# Altium PCB Copy of master.PcbDoc (part 2 of 7) (continued)
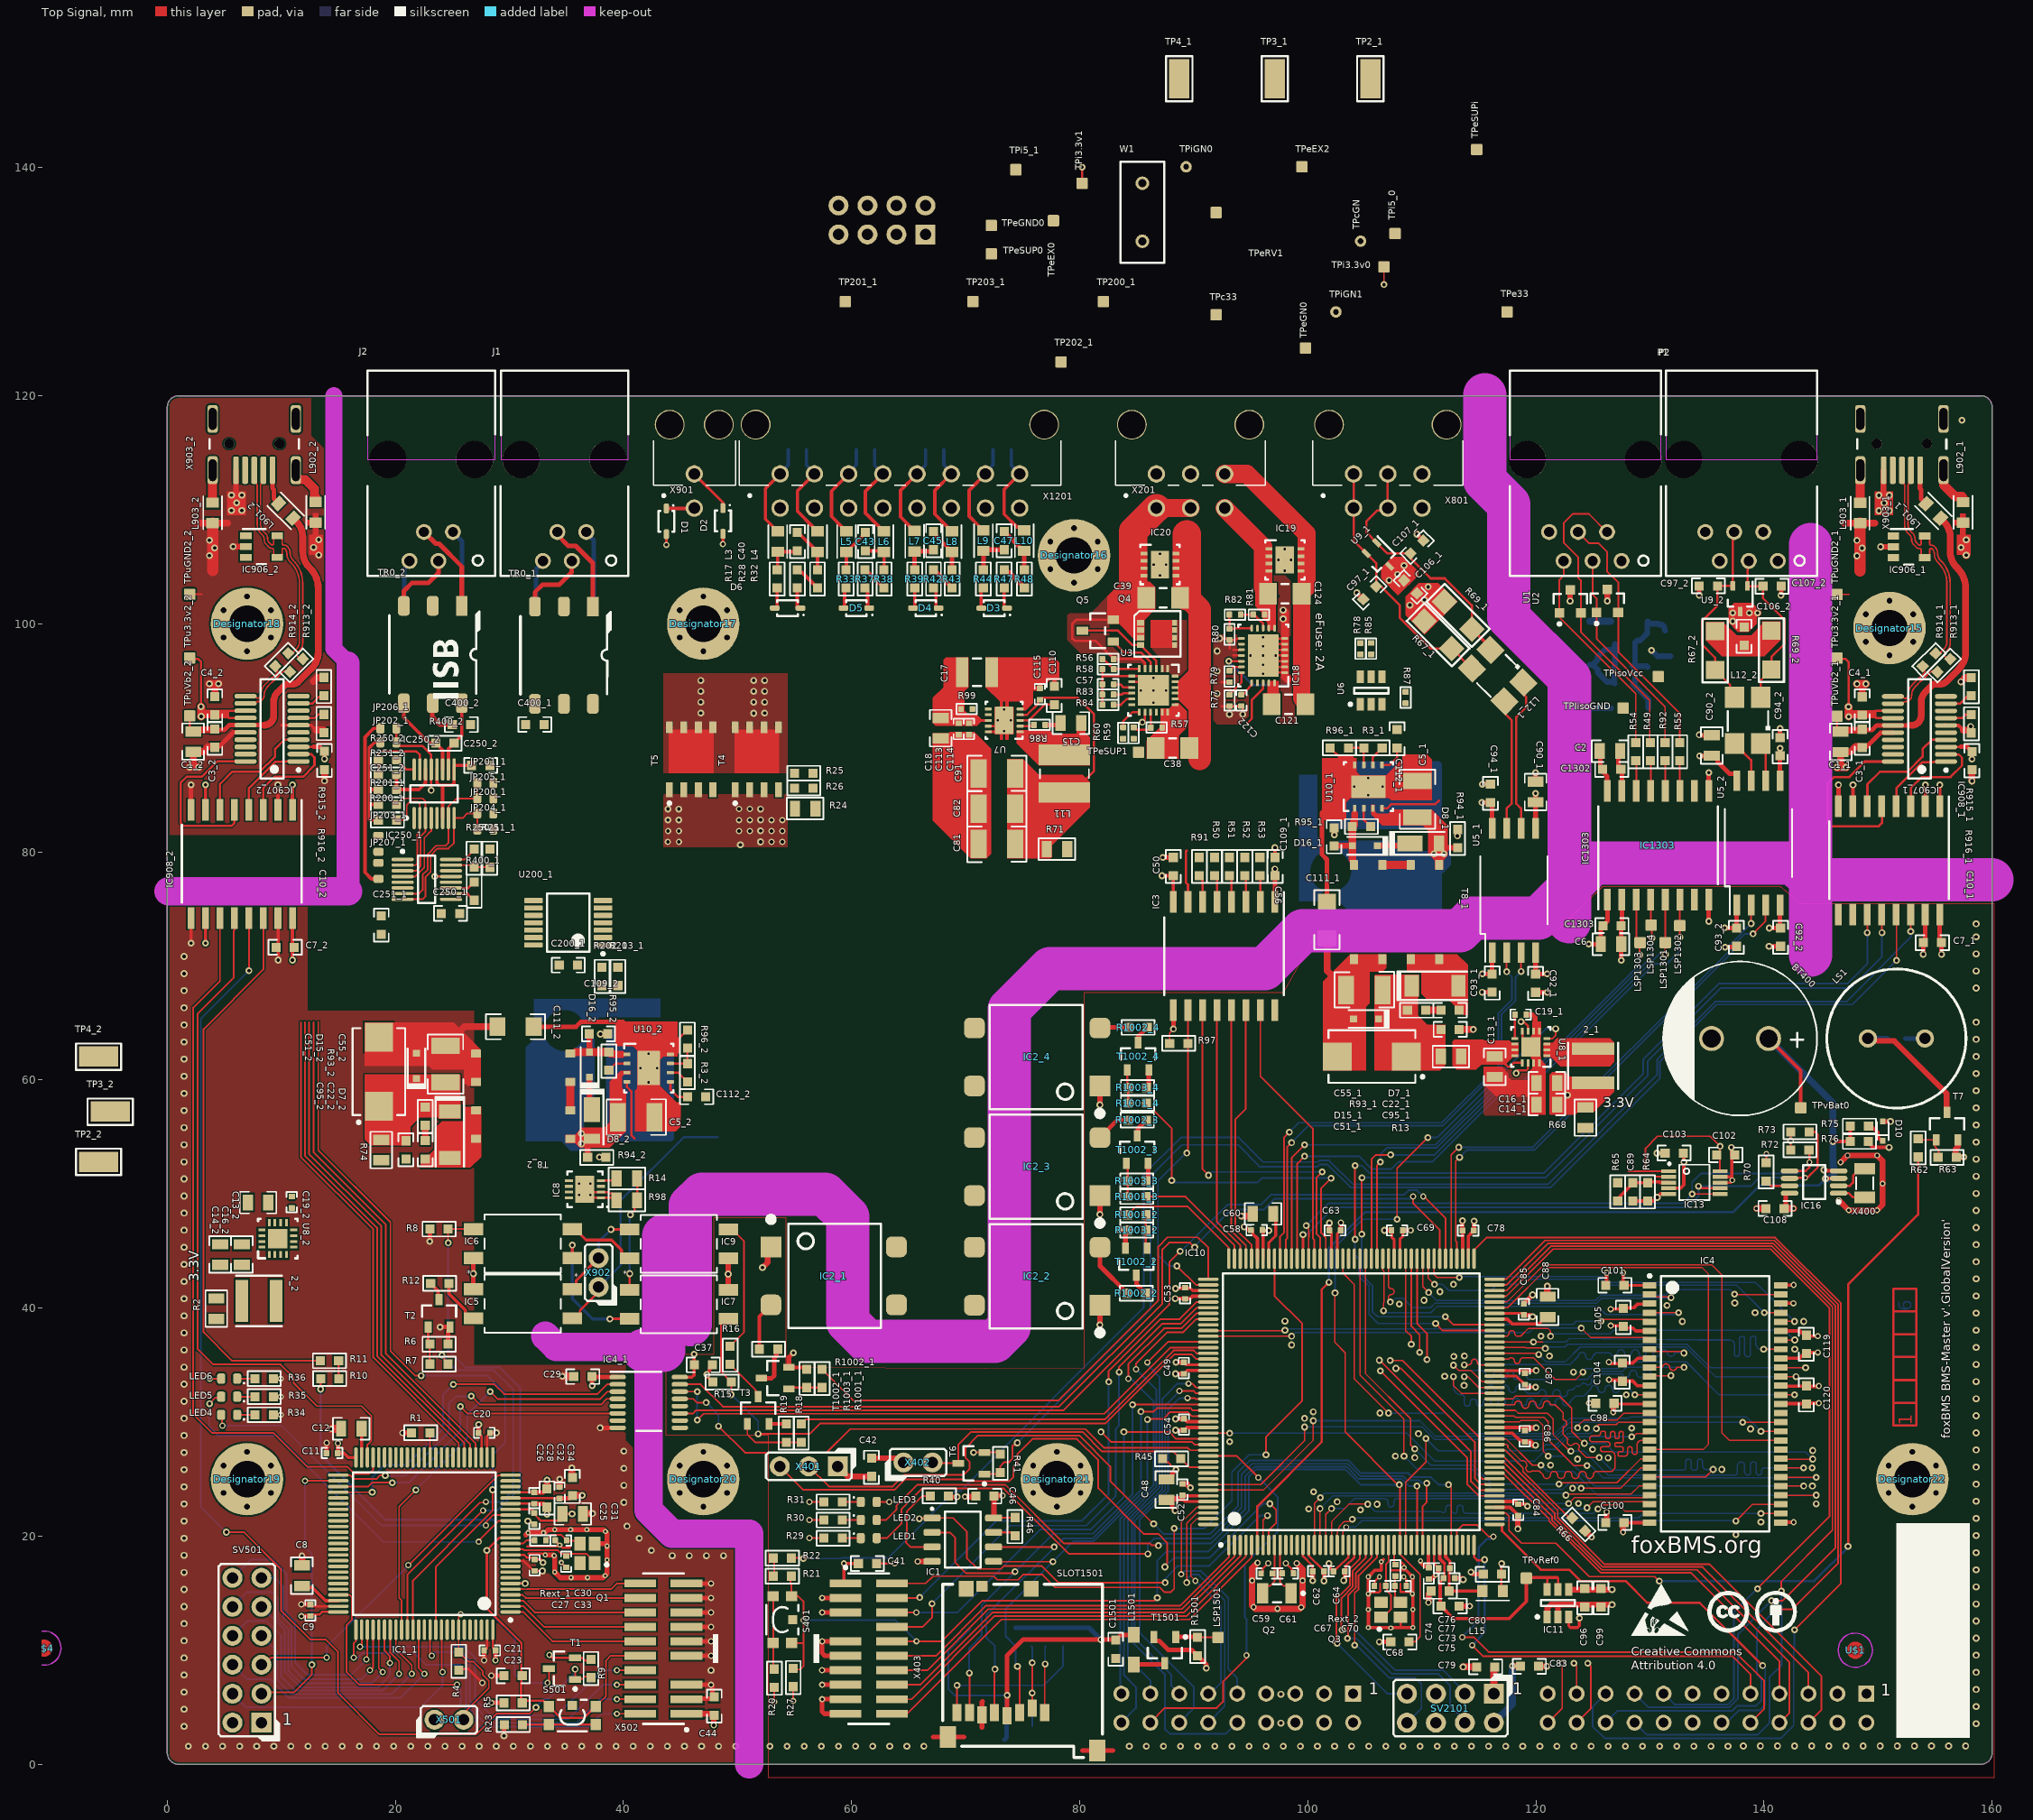
[diagram p0: Top Signal view]
## Components (designator, comment, footprint, x,y, rotation, side; value= is the part's Value field where it differs from the comment) (continued)
U10_2 "LM5180QNGURQ1" NGU0008C 42.214,61.044 r0 top (schematic designator U10)
U200_1 "SN74LVC00APWR" PW0014A_M 35.154,73.787 r180 top (schematic designator U200)
U200_2 "SN74LVC00APWR" PW0014A_M 28.677,75.248 r180 bottom (schematic designator U200)
U$1 "" FIDUCIAL_1MM 148,10 r0 top locked
U$3 "" FIDUCIAL_1MM -15.824,114.064 r0 top
U$4 "" FIDUCIAL_1MM -10.82,10.185 r0 top
W1 "Jumper" RAD-0.2 85.493,136.082 r90 top
X201 "43045-0621" 43045-0621 89.717,117.46 r0 top
X400 "ABS07-120 32.768k" ABS07 148.83,50.957 r270 top
X401 "samtec_TSW-103-07-G-S" PINHEADER_2.54_3 56.242,26.12 r180 top
X402 "samtec_TSW-102-07-G-S" PINHEADER_2.54_2 65.818,26.465 r0 top
X403 "FTSH-110-01-L-DV-007-K-P" CORTEX_DEBUG_20_PIN 61.5,10.146 r0 top locked
X501 "samtec_TSW-102-07-G-S" PINHEADER_2.54_2 24.7,3.905 r0 top
X502 "FTSH-110-01-L-DV-007-K-P" CORTEX_DEBUG_20_PIN 43.5,10.145 r180 top locked
X801 "43045-0621" 43045-0621 107.01,117.46 r0 top
X901 "43045-0221" 43045-0221 46.2,117.46 r0 top locked
X902 "samtec_TSW-102-07-G-S" PINHEADER_2.54_2 37.819,43.11 r90 top
X903_1 "54819-0589" 54819-0589 153.688,113.464 r270 top locked (schematic designator X903)
X903_2 "54819-0589" 54819-0589 9.225,113.464 r270 top locked (schematic designator X903)
X1201 "43045-1621" 43045-1621 64.237,117.46 r0 top locked

## Footprints (in the part's own frame and the unit in brackets; to place one, negate y for a bottom-side part, rotate by r counter-clockwise, add the part's x,y. Pads: shape width x height; smd on the part's side, far side on the other; paste and mask are expansions set on the pad)
0402C [mm] "Chip Capacitor, 2-Leads, Body 1.0x0.5mm, IPC Medium Density"
  rrect25% 0.5x0.55 smd paste-2: 1(-0.5,0) 2(0.5,0)
  silkscreen extent -0.9,-0.45 0.9,0.45, body extent -0.5,-0.25 0.5,0.25, height 0.5
0402R [mm] "Chip Capacitor, 2-Leads, Body 1.0x0.5mm, IPC Medium Density"
  rrect25% 0.5x0.55 smd paste-2: 1(-0.5,0) 2(0.5,0)
  silkscreen extent -0.9,-0.45 0.9,0.45, body extent -0.5,-0.25 0.5,0.25, height 0.25
0603C [mm]
  rect 0.8x0.8 smd paste-10: 1(-0.8,0) 2(0.8,0)
  silkscreen extent -1.45,-0.65 1.45,0.65, body extent -0.8,-0.4 0.8,0.41, height 1.02
0603R [mm]
  rect 0.8x0.8 smd paste-10: 1(-0.8,0) 2(0.8,0)
  silkscreen extent -1.45,-0.65 1.45,0.65, body extent -0.8,-0.4 0.8,0.4, height 0.45
0805_HV [mil]
  rect 50x63 smd: 1(-40,0) 2(40,0)
  silkscreen extent -74,-40 74,40, body extent -43,-29 43,29, height 57
0805C [mm]
  rect 0.9x1.4 smd paste-10: 1(-0.9,0) 2(0.9,0)
  silkscreen extent -1.6,-0.95 1.6,0.95, body extent -1,-0.63 1,0.63, height 1.25
0805R [mm]
  rect 0.9x1.4 smd paste-10: 1(-0.9,0) 2(0.9,0)
  silkscreen extent -1.6,-0.95 1.6,0.95, body extent -1,-0.65 1,0.65, height 0.6
1206C [mm]
  rect 1.4x1.6 smd paste-10: 1(-1.6,0) 2(1.6,0)
  silkscreen extent -2.6,-1.1 2.6,1.1, body extent -1.6,-0.8 1.6,0.8, height 1.78
1206R [mm]
  rect 1.6x1.6 smd: 1(-1.7,0) 2(1.7,0)
  silkscreen extent -2.8,-1.1 2.8,1.1, body extent -1.55,-0.8 1.55,0.8, height 0.55
1210C [mm]
  rect 1.4x2.5 smd paste-10: 1(-1.6,0) 2(1.6,0)
  silkscreen extent -2.6,-1.58 2.6,1.55, body extent -1.6,-1.2 1.6,1.2, height 1.78
7343-31 [mm]
  rect 2.55x2.45 smd: 1(-3.025,0) 2(3.025,0)
  silkscreen extent -4.56,-2.3 3.8,2.3, body extent -3.8,-2.3 3.8,2.3, height 3.1
43045-0221 [mm] "Micro-Fit 3.0 Right Angle Header, 3.00mm Pitch, Dual Row, 2 Circuits, with Snap-in Plastic Peg PCB Lock, Tin, Glow Wire Capable, Black, 43045-0221"
  round 1.524 hole 1.016: 1(0,-4.32) 2(0,-7.32)
  round 2.61 hole 2.41 paste-5 mask+0.15: MH1(-2.15,0) MH1(2.15,0)
  silkscreen extent -3.57,-6.34 3.63,-1.4, body extent -3.58,-7.62 3.63,4.62, height 8.77
43045-0621 [mm] "Micro-Fit 3.0 Right Angle Header, 3.00mm Pitch, Dual Row, 6 Circuits, with Snap-in Plastic Peg PCB Lock, Tin, Glow Wire Capable, Black, 43045-0621"
  round 1.524 hole 1.016: 1(-3,-4.32) 2(0,-4.32) 3(3,-4.32) 4(-3,-7.32) 5(0,-7.32) 6(3,-7.32)
  round 2.61 hole 2.41 paste-5 mask+0.15: MH1(-5.15,0) MH1(5.15,0)
  silkscreen extent -6.57,-6.34 6.58,-1.4, body extent -6.56,-7.62 6.59,4.62, height 8.83
43045-1621 [mil] "Micro-Fit 3.0 Right Angle Header, 3.00mm Pitch, Dual Row, 16 Circuits, with Snap-in Plastic Peg PCB Lock, Tin, Glow Wire Capable, Black, 43045-1621"
  round 60 hole 40: 1(-413.39,-170) 2(-295.28,-170) 3(-177.17,-170) 4(-59.06,-170) 5(59.06,-170) 6(177.17,-170) 7(295.28,-170) 8(413.39,-170) 9(-413.39,-287.99) 10(-295.28,-287.99) 11(-177.17,-287.99) 12(-59.06,-287.99) 13(59.06,-287.99) 14(177.17,-287.99) 15(295.28,-287.99) 16(413.39,-287.99)
  round 102.76 hole 94.88 paste-196.85 mask+5.91: MH1(-498.03,0.08) MH1(498.03,0.08)
  silkscreen extent -554,-249 556,-55, body extent -554,-300 556,182, height 345
54819-0589 [mm] "Mini USB Connector, TH, Righer Angle"
  rrect50% 2.4x0.5 smd: 1(0,0) 2(0,-0.8) 3(0,-1.6) 4(0,-2.4) 5(0,-3.2)
  rrect50% 2.45x0.9 / inner rrect50% 0x0 / far side rrect50% 2.7x1.7 hole 0.7 slot 1.9 at 0 deg: 6(0,2.05) 7(-4.5,2.05) 8(0,-5.25) 9(-4.5,-5.25)
  round 0.9 hole 0.9 unplated: X(-2.325,-3.8) Y(-2.325,0.6)
  silkscreen extent -2.7,-5.5 -1.9,2.3, body extent -8.22,-5.46 0.78,2.24, height 4.05
95501-2441 [mm]
  round 1.4 hole 0.9: 1(-1.905,-2.54) 2(-0.635,0) 3(0.635,-2.54) 4(1.905,0)
  round 3.25 hole 3.25 unplated paste-10 mask+0.15: MH(-3.81,-8.89) MH(3.81,-8.89)
  Keep-Out Layer region: -5.59,-16.69 5.575,-16.69 5.575,-8.907 -5.59,-8.907
  silkscreen extent -5.59,-16.69 5.6,1.33, body extent -5.59,-16.77 5.59,1.33, height 11.55
95501-2661#1 [mm]
  round 1.4 hole 0.9: 1(-3.175,0) 2(-1.905,-2.54) 3(-0.635,0) 4(0.635,-2.54) 5(1.905,0) 6(3.175,-2.54)
  round 3.25 hole 3.25 unplated paste-10 mask+0.15: MH(-5.08,-8.89) MH(5.08,-8.89)
  Keep-Out Layer region: -6.625,-16.69 6.605,-16.69 6.605,-8.907 -6.625,-8.907
  silkscreen extent -6.63,-16.69 6.61,1.33, body extent -6.6,-16.77 6.61,1.33, height 11.55
95501-2661#2 [mm]
  round 1.4 hole 0.9: 1(-3.175,0) 2(-1.905,2.54) 3(-0.635,0) 4(0.635,2.54) 5(1.905,0) 6(3.175,2.54)
  round 3.25 hole 3.25 unplated paste-10 mask+0.15: MH(-5.08,8.89) MH(5.08,8.89)
  Keep-Out Layer region: -6.625,16.69 6.605,16.69 6.605,8.907 -6.625,8.907
  body extent -6.6,-1.33 6.61,16.77, height 11.55
750316031 [mm] "PUSH-PULL TRANSFORMER WE-PP 1:1 3.3v 1A"
  rect 1.9x1.4 smd: 1(-6.87,3.81) 2(-6.87,0) 3(-6.87,-3.81) 4(6.87,-3.81) 5(6.87,0) 6(6.87,3.81)
  silkscreen extent -7.2,-6.1 6.93,6.12, body extent -7.24,-6.1 7.23,6.09, height 11.52
ABS07 [mm]
  rect 1x1.8 smd: 1(-1.25,0) 2(1.25,0)
  silkscreen extent -0.55,-0.75 0.55,0.75, body extent -1.6,-0.75 1.6,0.75, height 0.9
ADI-RJ-6_N [mm] "SOT23, 6-Leads, Body 2.9x1.6mm, Pitch 0.95mm, IPC Medium Density"
  rect 1.1x0.6 smd: 1(-1.2,0.95) 2(-1.2,0) 3(-1.2,-0.95) 4(1.2,-0.95) 5(1.2,0) 6(1.2,0.95)
  silkscreen extent -1.32,-1.5 0.25,1.92, body extent -0.85,-1.5 0.85,1.5, height 1.45
AQY27_PDIP_SMD [mm]
  rect 1.8x1.8 smd: 1(0,0)
  rrect50% 1.8x1.8 smd: 2(0,-5.08) 3(11,-5.08) 4(11,0)
  silkscreen extent -0.2,-7.11 9.65,2.61, body extent 0.13,-7.18 10.03,2.54, height 3.5
AVX-CX2520DB32000D0GEJZ1-4_V [mm] "Hand Drawn, 4-Leads,Body 2.5x2mm"
  rect 1x1.2 smd: 1(-0.65,0.85) 2(-0.65,-0.85) 3(0.65,-0.85) 4(0.65,0.85)
  silkscreen extent -1.83,0.88 -1.58,1.12, body extent -1,-1.25 1,1.25, height 0.55
CAPC3216X180X55ML20T25 [mm] "Chip Capacitor, 2-Leads, Body 3.4x1.8mm, IPC Low Density"
  rect 1.55x1.9 smd: 1(-1.475,0) 2(1.475,0)
  silkscreen extent -0.3,-0.85 0.3,0.85, body extent -1.7,-0.9 1.7,0.9, height 1.8
CAPC3225X279X50LL20T25 [mm] "Chip Capacitor, 2-Leads, Body 3.40x2.70mm, IPC High Density"
  rect 1.1x2.6 smd: 1(-1.3,0) 2(1.3,0)
  silkscreen extent -0.35,-1.2 0.35,1.2, body extent -1.7,-1.35 1.7,1.35, height 2.79
Coilcraft_YA8779-CL [mm]
  rrect14% 0.87x0.71 smd: 1(-4.135,3.735) 2(-4.135,1.245) 3(-4.135,-1.245) 4(-4.135,-3.735) 5(4.135,-3.735) 6(4.135,-1.245) 7(4.135,1.245) 8(4.135,3.735)
  body extent -4.65,-5.1 4.65,5.1, height 10.6
CORTEX_DEBUG_20_PIN [mm] "ARM Cortex Debug Connector 20 Pin"
  rect 2.8x0.7 smd: 1(-2.035,5.715) 2(2.035,5.715) 3(-2.035,4.445) 4(2.035,4.445) 5(-2.035,3.175) 6(2.035,3.175) 8(2.035,1.905) 9(-2.035,0.635) 10(2.035,0.635) 11(-2.035,-0.635) 12(2.035,-0.635) 13(-2.035,-1.905) 14(2.035,-1.905) 15(-2.035,-3.175) 16(2.035,-3.175) 17(-2.035,-4.445) 18(2.035,-4.445) 19(-2.035,-5.715) 20(2.035,-5.715)
  silkscreen extent -4.83,-6.6 1.78,7.24, body extent -2.92,-6.35 2.92,6.35, height 6.98
DBQ0016A_N [mm]
  oval 1.45x0.4 smd paste+0 mask+0: 1(-2.725,2.222) 2(-2.725,1.587) 3(-2.725,0.953) 4(-2.725,0.318) 5(-2.725,-0.318) 6(-2.725,-0.953) 7(-2.725,-1.587) 8(-2.725,-2.222) 9(2.725,-2.222) 10(2.725,-1.587) 11(2.725,-0.953) 12(2.725,-0.318) 13(2.725,0.318) 14(2.725,0.953) 15(2.725,1.587) 16(2.725,2.222)
  silkscreen extent -3.35,-2.5 1.1,2.68, body extent -3.01,-2.45 3.01,2.45, height 1.62
DBV0005A_N [mm]
  rect 1x0.6 smd paste+0 mask+0.051: 1(-1.375,0.95) 2(-1.375,0) 3(-1.375,-0.95) 4(1.375,-0.95) 5(1.375,0.95)
  silkscreen extent -1.62,-1.55 0.38,1.55, body extent -1.4,-1.45 1.4,1.45, height 1.2
DBV0006A_N [mm]
  rect 1x0.6 smd paste+0 mask+0.051: 1(-1.375,0.95) 2(-1.375,0) 3(-1.375,-0.95) 4(1.375,-0.95) 5(1.375,0) 6(1.375,0.95)
  silkscreen extent -1.68,-1.55 0.5,1.55, body extent -1.4,-1.45 1.4,1.45, height 1.5
DCK0003A_N [mm] "SOT23, 3-Leads, Body 2.0x1.25mm, Pitch 0.65mm, Lead Span 2.1mm, IPC Medium Density"
  rrect25% 0.85x0.4 smd: 1(-1.125,0.65) 2(-1.125,-0.65) 3(1.125,0)
  silkscreen extent -1.48,-1.1 0.7,1.1, body extent -1.06,-1 1.06,1, height 1.1
DIOM4326X24N [mm] "Molded Diode, 2-Leads, Body 4,30x2,60mm, IPC Medium Density, SMA, DO-214AC"
  rrect25% 2.45x1.55 smd: 1(-1.6,0) 2(1.575,0)
  silkscreen extent -2.9,-1.45 2.3,1.45, body extent -2.52,-1.45 2.52,1.45, height 2.4
DRB0008F [mm]
  rect 0.6x0.3 smd paste+0 mask+0: 1(-1.4,0.975) 2(-1.4,0.325) 3(-1.4,-0.325) 4(-1.4,-0.975) 5(1.4,-0.975) 6(1.4,-0.325) 7(1.4,0.325) 8(1.4,0.975)
  rect 1.6x2.4 smd paste-1.187 mask+0: 9(0,0)
  round 0.5 / inner round 1.524 / far side round 0.5 hole 0.203 mask+0: V(-0.55,0) V(0,-0.95) V(0,0.95) V(0.55,0)
  silkscreen extent -1.73,-1.73 1.73,1.73, body extent -1.5,-1.5 1.5,1.5, height 0.77
DSX0010A [mm] "SON, 10-Leads, Body 3x3 mm, Pitch 0.5mm"
  rrect40% 0.6x0.25 smd paste+0 mask+0.076: 1(-1.4,1) 2(-1.4,0.5) 3(-1.4,0) 4(-1.4,-0.5) 5(-1.4,-1) 6(1.4,-1) 7(1.4,-0.5) 8(1.4,0) 9(1.4,0.5) 10(1.4,1)
  rrect50% 0.25x0.34 on Top Paste: 11(-0.25,1.53) 11(-0.25,-1.53) 11(0.25,1.53) 11(0.25,-1.53)
  rrect50% 1.5x1.06 on Top Paste: 11(0,0.63) 11(0,-0.63)
  rrect12% 1.65x2.4 smd paste-0.237 mask+0.051: 11(0,0)
  Top Signal region: -0.775,-1.2 -0.375,-1.2 -0.375,-1.65 -0.375,-1.66 -0.367,-1.678 -0.353,-1.692 -0.335,-1.7 -0.325,-1.7 -0.325,-1.7 -0.325,-1.7 -0.175,-1.7 -0.165,-1.7 -0.147,-1.692 -0.133,-1.678 -0.125,-1.66 -0.125,-1.65 -0.125,-1.65 -0.125,-1.65 -0.125,-1.2 0.125,-1.2 0.125,-1.65 0.125,-1.66 0.133,-1.678 0.147,-1.692 0.165,-1.7 0.175,-1.7 0.175,-1.7 0.175,-1.7 0.325,-1.7 0.335,-1.7 0.353,-1.692 0.367,-1.678 0.375,-1.66 0.375,-1.65 0.375,-1.65 0.375,-1.2 0.775,-1.2 0.785,-1.2 0.803,-1.192 0.817,-1.178 0.825,-1.16 0.825,-1.15 0.825,-1.15 0.825,1.15 0.825,1.16 0.817,1.178 0.803,1.192 0.785,1.2 0.775,1.2 0.775,1.2 0.375,1.2 0.375,1.65 0.375,1.66 0.367,1.678 0.353,1.692 0.335,1.7 0.325,1.7 0.325,1.7 0.175,1.7 0.165,1.7 0.147,1.692 0.133,1.678 0.125,1.66 0.125,1.65 0.125,1.65 0.125,1.2 -0.125,1.2 -0.125,1.65 -0.125,1.66 -0.133,1.678 -0.147,1.692 -0.165,1.7 -0.175,1.7 -0.175,1.7 -0.325,1.7 -0.335,1.7 -0.353,1.692 -0.367,1.678 -0.375,1.66 -0.375,1.65 -0.375,1.65 -0.375,1.2 -0.775,1.2 -0.785,1.2 -0.803,1.192 -0.817,1.178 -0.825,1.16 -0.825,1.15 -0.825,1.15 -0.825,-1.15 -0.825,-1.16 -0.817,-1.178 -0.803,-1.192 -0.785,-1.2 -0.775,-1.2
  silkscreen extent -1.63,-1.63 1.63,1.63, body extent -1.5,-1.5 1.5,1.5, height 0.8
DW0016B_N [mm]
  rect 1.9x0.6 smd paste+0 mask+0.051: 1(-4.75,4.445) 2(-4.75,3.175) 3(-4.75,1.905) 4(-4.75,0.635) 5(-4.75,-0.635) 6(-4.75,-1.905) 7(-4.75,-3.175) 8(-4.75,-4.445) 9(4.75,-4.445) 10(4.75,-3.175) 11(4.75,-1.905) 12(4.75,-0.635) 13(4.75,0.635) 14(4.75,1.905) 15(4.75,3.175) 16(4.75,4.445)
  silkscreen extent -5.6,-5.25 3.4,5.25, body extent -5.17,-5.15 5.17,5.15, height 2.59
DWV0008A [mm]
  rect 1.8x0.6 smd paste+0 mask+0: 1(-5.45,1.905) 2(-5.45,0.635) 3(-5.45,-0.635) 4(-5.45,-1.905) 5(5.45,-1.905) 6(5.45,-0.635) 7(5.45,0.635) 8(5.45,1.905)
  silkscreen extent -6.25,-2.95 2.98,2.95, body extent -5.77,-2.92 5.77,2.93, height 2.67
ESPO-FC-135-2_V [mm] "SMD, 2-Leads, Body 3.3x1.6mm, Pitch 2.5mm"
  rect 1x1.8 smd: 1(-1.25,0) 2(1.25,0)
  silkscreen extent -2.43,-0.8 0.35,0.8, body extent -1.65,-0.8 1.65,0.8, height 0.9
FIDUCIAL_1MM [mm] "FIDUCIAL_1MM"
  Top Signal circle w1: c0,0 r0.25
  Top Signal keep-out circle w0.1: c0,0 r1.5
HM2101NL [mil] "XFMR CMC MODULE AECQ BATT MNGT"
  rect 67.5x40 smd: 1(-168.11,100)
  rrect50% 67.5x40 smd: 2(-168.11,0) 3(-168.11,-100) 4(168.11,-100) 5(168.11,0) 6(168.11,100)
  silkscreen extent -149,-150 134,161, body extent -175,-150 175,150, height 227
HOLE_3.2_ISO [mm]
  round 0.8 / inner round 0.7 / far side round 0.8 hole 0.5: 0(-2.078,-1.2) 0(-2.078,1.2) 0(0,-2.4) 0(0,2.4) 0(2.078,-1.2) 0(2.078,1.2)
  round 6.35 / inner round 3.4 / far side round 6.35 hole 3.18: 0(0,0)
INF-PG-SOT23_N [mm] "SOT23, 3-Leads, Body 2.9x1.3mm, Pitch 0.95mm, IPC Medium Density"
  rect 1.05x0.6 smd: 1(-1.15,0.95) 2(-1.15,-0.95) 3(1.15,0)
  silkscreen extent -1.28,-1.5 0.7,1.92, body extent -0.7,-1.5 0.7,1.5, height 1.1
KMR2_Series [mil] "Microminiature Tact Switch for SMT"
  rect 35.43x39.37 smd: 1(-80.71,-31.5) 2(80.71,-31.5) 3(80.71,31.5) 4(-80.71,31.5)
  rect 31.5x31.5 smd: 5(0,35.43)
  silkscreen extent -50,-55 50,55, body extent -91,-55 91,55, height 76
KW-5R5C [mm]
  round 2.2 hole 1.6: 1(-2.5,0) 2(2.5,0)
  silkscreen extent -6.75,-6.75 6.75,6.75, body extent -6.7,-6.74 6.78,6.74, height 8.36
LEDC1608X07N [mm] "LED, 2-Leads, Body 1,60x0,80mm, IPC Medium Density"
  rrect50% 0.7x0.9 smd: 1(-0.7,0) 2(0.7,0)
  silkscreen extent -1.35,0.35 -1.25,0.45, body extent -0.8,-0.4 0.8,0.4, height 0.7
LT-DD-8_V [mm] "SON, 8-Leads, Body 3x3mm, Pitch 0.5mm, Thermal Pad 1.65x2.38 mm, IPC Low Density"
  rect 0.7x0.25 smd mask+0.102: 1(-1.4,0.75) 2(-1.4,0.25) 3(-1.4,-0.25) 4(-1.4,-0.75) 5(1.4,-0.75) 6(1.4,-0.25) 7(1.4,0.25) 8(1.4,0.75)
  rect 1.65x2.38 smd mask+0.102: 9(0,0)
  silkscreen extent -2,-1.55 1.55,1.6, body extent -1.5,-1.5 1.5,1.5, height 0.8
LT-MS-16_M [mm] "SOP, 16-Leads, Body 4.04x3.00mm, Pitch 0.50mm, IPC Low Density"
  oval 1.95x0.3 smd: 1(-2.125,1.75) 2(-2.125,1.25) 3(-2.125,0.75) 4(-2.125,0.25) 5(-2.125,-0.25) 6(-2.125,-0.75) 7(-2.125,-1.25) 8(-2.125,-1.75) 9(2.125,-1.75) 10(2.125,-1.25) 11(2.125,-0.75) 12(2.125,-0.25) 13(2.125,0.25) 14(2.125,0.75) 15(2.125,1.25) 16(2.125,1.75)
  silkscreen extent -2.25,-2.08 0.75,2.57, body extent -1.55,-2.05 1.55,2.05, height 1.1
MF06A_N [mm] "SOT23, 6-Leads, Body 2.9x1.6mm, Pitch 0.95mm, Lead Span 2.8mm, IPC Medium Density"
  rect 1.1x0.65 smd: 1(-1.2,0.95) 2(-1.2,0) 3(-1.2,-0.95) 4(1.2,-0.95) 5(1.2,0) 6(1.2,0.95)
  silkscreen extent -1.32,-1.5 0.25,1.95, body extent -0.83,-1.49 0.83,1.5, height 1.22
MOLEX_47352_1001 [mm] "Molex SD Card Reader Push Push Type VDD Detect Switch"
  rect 0.8x1.5 smd: 1(7.54,-10.16) 2(6.44,-9.76) 3(5.34,-10.16) 4(4.24,-10.435) 5(3.14,-10.16) 6(2.04,-10.36) 7(0.94,-10.16) 8(-0.16,-10.16)
  rect 1x0.95 smd: 6_1(2.04,0.925)
  rect 1.4x1.9 smd: SH(-0.95,-12.3) SH(12.15,-13.5)
  rect 1.3x1.4 smd: SH(0.65,0.7) SH(6.35,0.7)
  silkscreen extent -1.4,-14.1 12.6,1.09, body extent -1.4,-14.2 12.7,1, height 1.9
MSOP-10 [mm]
  rect 1.3x0.35 smd paste-0.025: 1(-2.25,1) 2(-2.25,0.5) 3(-2.25,0) 4(-2.25,-0.5) 5(-2.25,-1) 6(2.25,-1) 7(2.25,-0.5) 8(2.25,0) 9(2.25,0.5) 10(2.25,1)
  silkscreen extent -2.3,-1.52 1.33,1.75, body extent -1.33,-1.52 1.33,1.58, height 1.2
MURA-BLM21-H1-CHIP-2_V#1 [mm] "Chip Ferrite Bead, 2-Leads, Body 2x1.25mm, Height 1.05mm"
  rect 0.9x1.1 smd paste-10: 1(-0.9,0) 2(0.9,0)
  silkscreen extent -1.45,-0.82 1.45,0.82, body extent -1,-0.43 1,0.43, height 1.25
MURA-BLM21-H1-CHIP-2_V#2 [mm] "Chip Ferrite Bead, 2-Leads, Body 2x1.25mm, Height 1.05mm"
  rect 1.4x1 smd: 1(-1.3,0) 2(1.3,0)
  body extent -1,-0.63 1,0.63, height 1.05
NF_SOD-523 [mm]
  rect 0.5x0.5 smd paste-1: 1(-0.85,0) 2(0.85,0)
  silkscreen extent -0.8,-0.5 0.8,0.5
NGU0008C [mm]
  rrect33% 0.6x0.3 smd: 1(-1.9,1.2) 2(-1.9,0.4) 3(-1.9,-0.4) 4(-1.9,-1.2) 5(1.9,-1.2) 6(1.9,-0.4) 7(1.9,0.4) 8(1.9,1.2)
  rrect50% 1.75x1.31 on Top Paste: 9(0,0.755) 9(0,-0.755)
  rrect5% 1.98x3 smd paste-1.5: 9(0,0)
  silkscreen extent -2.15,-2.15 2.15,2.15, body extent -2,-2 2,2, height 0.77
ONSC-SOD-123-2-425-04_V [mm] "SOD, 2-Leads, Body 2.69x1.6mm"
  rect 0.91x1.22 smd: 1(-1.635,0) 2(1.635,0)
  silkscreen extent -1.76,-0.8 0.78,1.28, body extent -1.35,-0.8 1.35,0.8, height 1.35
ONSC-SOT-23-3-318-08_V [mm] "SOT23, 3-Leads, Body 2.92x1.3mm, Pitch 0.95mm"
  rect 0.9x0.8 smd: 1(-1,0.95) 2(-1,-0.95) 3(1,0)
  silkscreen extent -1.13,-1.46 0.65,2.02, body extent -0.65,-1.46 0.65,1.46, height 1.11
PA4332 [mm]
  rect 1.1x3.7 smd paste+0 mask+0.051: 1(-1.5,0) 2(1.5,0)
  silkscreen extent -2,-2.2 2,2.2, body extent 0,0 0.25,0.25, height 0.25
PAN_AQY21-SO4 [mil]
  rect 67x41 smd paste+0 mask+0: 1(-170.5,50) 2(-170.5,-50) 3(170.5,-50) 4(170.5,50)
  silkscreen extent -132,-100 132,100, body extent 0,0 10,10, height 10
PINHEADER_2.54_2 [mm] "Pinheader, 2.54mm, gerade"
  round 1.75 hole 1: 1(-1.27,0) 2(1.27,0)
  silkscreen extent -2.84,-1.57 2.47,1.2, body extent -2.54,-1.27 2.54,1.27, height 8.74
PINHEADER_2.54_2X4 [mm] "Pinheader, 2.54mm, gerade, 2-reihig"
  rect 1.75x1.75 hole 1: 1(-3.81,-1.27)
  round 1.75 hole 1: 2(-3.81,1.27) 3(-1.27,-1.27) 4(-1.27,1.27) 5(1.27,-1.27) 6(1.27,1.27) 7(3.81,-1.27) 8(3.81,1.27)
  silkscreen extent -5.38,-2.84 5.01,2.47, body extent -5.08,-2.54 5.08,2.54, height 8.74
PINHEADER_2.54_2X6 [mm] "Pinheader, 2.54mm, gerade, 2-reihig"
  rect 1.75x1.75 hole 1: 1(-6.35,-1.27)
  round 1.75 hole 1: 2(-6.35,1.27) 3(-3.81,-1.27) 4(-3.81,1.27) 5(-1.27,-1.27) 6(-1.27,1.27) 7(1.27,-1.27) 8(1.27,1.27) 9(3.81,-1.27) 10(3.81,1.27) 11(6.35,-1.27) 12(6.35,1.27)
  silkscreen extent -7.92,-2.84 7.55,2.47, body extent -7.62,-2.54 7.62,2.54, height 8.74
PINHEADER_2.54_3 [mm] "Pinheader, 2.54mm, gerade"
  rect 1.75x1.75 hole 1: 1(-2.54,0)
  round 1.75 hole 1: 2(0,0) 3(2.54,0)
  silkscreen extent -4.11,-1.57 3.74,1.2, body extent -3.81,-1.27 3.81,1.27, height 8.74
PowerDI123 [mm]
  rect 2.2x1.4 smd: 1(-1.275,0)
  rect 0.9x1.4 smd: 2(1.275,0)
  silkscreen extent -3.1,-1.09 1.76,1.09, body extent -2.38,-0.97 1.52,0.96, height 1
PRKT-SOT23-3_V [mm] "SOT23, 3-Leads, Body 2.92x1.3mm, Pitch 0.94mm"
  rect 0.84x0.84 smd: 1(-1,0.94) 3(1,0)
  rect 0.84x0.9 smd: 2(-1,-0.94)
  silkscreen extent -2.09,-1.46 0.65,1.46, body extent -0.65,-1.46 0.65,1.46, height 1.17
PS12 [mm]
  round 1.6 hole 1: 1(-2.5,0) 2(2.5,0)
  silkscreen extent -6.1,-6.1 6.1,6.1, body extent -6.1,-6.1 6.1,6.1, height 3.5
PW0014A_M [mm] "SOP, 14-Leads, Body 5.1x4.5mm, Pitch 0.65mm, IPC Low Density"
  rrect22% 1.6x0.45 smd: 1(-3.05,1.95) 2(-3.05,1.3) 3(-3.05,0.65) 4(-3.05,0) 5(-3.05,-0.65) 6(-3.05,-1.3) 7(-3.05,-1.95) 8(3.05,-1.95) 9(3.05,-1.3) 10(3.05,-0.65) 11(3.05,0) 12(3.05,0.65) 13(3.05,1.3) 14(3.05,1.95)
  silkscreen extent -3.18,-2.55 1.85,2.85, body extent -3.21,-2.5 3.21,2.5, height 1
RAD-0.2 [mm] "Radial Cap, Thru-Hole; 2 Leads; 0.2 in Pin Spacing"
  round 1.2 hole 0.7: 1(-2.54,0) 2(2.54,0)
  silkscreen extent -4.44,-1.91 4.44,1.91
RESC1608X05N [mm] "Chip Resistor, 2-Leads, Body 1,60x0,80mm, IPC Medium Density"
  rrect50% 0.7x0.9 smd: 1(-0.7,0) 2(0.7,0)
  body extent -0.85,-0.45 0.85,0.45, height 0.45
RGE0024H [mm]
  rect 0.6x0.24 smd paste+0 mask+0.051: 1(-1.9,1.25) 2(-1.9,0.75) 3(-1.9,0.25) 4(-1.9,-0.25) 5(-1.9,-0.75) 6(-1.9,-1.25) 13(1.9,-1.25) 14(1.9,-0.75) 15(1.9,-0.25) 16(1.9,0.25) 17(1.9,0.75) 18(1.9,1.25)
  rect 0.24x0.6 smd paste+0 mask+0.051: 7(-1.25,-1.9) 8(-0.75,-1.9) 9(-0.25,-1.9) 10(0.25,-1.9) 11(0.75,-1.9) 12(1.25,-1.9) 19(1.25,1.9) 20(0.75,1.9) 21(0.25,1.9) 22(-0.25,1.9) 23(-0.75,1.9) 24(-1.25,1.9)
  rect 2.7x2.7 smd paste-1.337 mask+0.051: 25(0,0)
  round 0.5 / inner round 1.524 / far side round 0.5 hole 0.203 mask+0.051: V(-1.1,0) V(0,1.1) V(0,0) V(0,-1.1) V(1.1,0)
  silkscreen extent -2.22,-2.22 2.22,2.22, body extent 0,0 0.25,0.25, height 0.25
RGT0016C [mm]
  rect 0.6x0.24 smd paste+0 mask+0.051: 1(-1.4,0.75) 2(-1.4,0.25) 3(-1.4,-0.25) 4(-1.4,-0.75) 9(1.4,-0.75) 10(1.4,-0.25) 11(1.4,0.25) 12(1.4,0.75)
  rect 0.24x0.6 smd paste+0 mask+0.051: 5(-0.75,-1.4) 6(-0.25,-1.4) 7(0.25,-1.4) 8(0.75,-1.4) 13(0.75,1.4) 14(0.25,1.4) 15(-0.25,1.4) 16(-0.75,1.4)
  rect 1.68x1.68 smd paste-0.827 mask+0.051: 17(0,0)
  silkscreen extent -1.72,-1.72 1.73,1.73, body extent 0,0 0.25,0.25, height 0.25
RHF0024A [mm]
  oval 0.6x0.24 smd paste+0 mask+0.051: 1(-1.9,1.5) 2(-1.9,1) 3(-1.9,0.5) 4(-1.9,0) 5(-1.9,-0.5) 6(-1.9,-1) 7(-1.9,-1.5) 13(1.9,-1.5) 14(1.9,-1) 15(1.9,-0.5) 16(1.9,0) 17(1.9,0.5) 18(1.9,1) 19(1.9,1.5)
  oval 0.24x0.6 smd paste+0 mask+0.051: 8(-1,-2.4) 9(-0.5,-2.4) 10(0,-2.4) 11(0.5,-2.4) 12(1,-2.4) 20(1,2.4) 21(0.5,2.4) 22(0,2.4) 23(-0.5,2.4) 24(-1,2.4)
  rect 2.7x3.7 smd paste-1.837 mask+0.051: 25(0,0)
  round 0.5 / inner round 1.524 / far side round 0.5 hole 0.203 mask+0.051: V(-1.1,0) V(0,0.8) V(0,0) V(0,-0.8) V(0,1.6) V(0,-1.6) V(1.1,0)
  silkscreen extent -2.2,-2.7 2.2,2.7, body extent -2,-2.5 2,2.5, height 1
SDR0403 [mil]
  rect 71x177 smd: 1(-65,0) 2(65,0)
  silkscreen extent -16,-85 16,84, body extent -107,-95 107,95, height 150
SIMDAD_1812 [mm] "EPCOS"
  rect 1.7x1.85 smd: 1(-1.15,2.025) 2(-1.15,-2.025) 3(1.15,-2.025) 4(1.15,2.025)
  silkscreen extent -2,-0.8 1.75,0.9, body extent -1.75,-2.6 1.75,2.6, height 3.01
SLW_104_01_G_D [mm] "Board-To-Board Connector, Dual, 2.54 mm, 8 Contacts, Receptacle, SLW Series, Through Hole, 2 Rows"
  rect 1.75x1.75 hole 1: 1(-3.81,-1.27)
  round 1.75 hole 1: 2(-3.81,1.27) 3(-1.27,-1.27) 4(-1.27,1.27) 5(1.27,-1.27) 6(1.27,1.27) 7(3.81,-1.27) 8(3.81,1.27)
  silkscreen extent -5.38,-2.84 5.01,2.47, body extent -5.08,-2.48 5.08,2.48, height 4.57
SM_RADIAL_G [mm]
  rect 4.1x2 smd: 1(-4.35,0) 2(4.35,0)
  silkscreen extent -5.35,-5.35 5.35,5.35, body extent -5.25,-5.25 5.25,5.25, height 10.5
SMAF [mm]
  rect 1.24x1.89 smd: 1(-2.04,0) 2(2.04,0)
  silkscreen extent -3.4,-1.3 2.8,1.3, body extent -2.35,-1.25 2.35,1.25, height 1
SMTC-SLW-112-01-X-D#1 [mm] "Low Profile Socket Strip, 2x12 Pins, Vertical, 2.54mm Pitch, Female"
  rect 1.4x1.4 hole 0.86: 1(0,0)
  round 1.4 hole 0.86: 2(0,-2.54) 3(2.54,0) 4(2.54,-2.54) 5(5.08,0) 6(5.08,-2.54) 7(7.62,0) 8(7.62,-2.54) 9(10.16,0) 10(10.16,-2.54) 11(12.7,0) 12(12.7,-2.54) 13(15.24,0) 14(15.24,-2.54) 15(17.78,0) 16(17.78,-2.54) 17(20.32,0) 18(20.32,-2.54)
  silkscreen extent -1.57,-3.75 29.2,1.57, body extent -1.27,-3.75 29.21,1.21, height 4.57
SMTC-SLW-112-01-X-D#2 [mm] "Low Profile Socket Strip, 2x12 Pins, Vertical, 2.54mm Pitch, Female"
  rect 1.4x1.4 hole 0.86: 1(0,0)
  round 1.4 hole 0.86: 2(0,-2.54) 3(2.54,0) 4(2.54,-2.54) 5(5.08,0) 6(5.08,-2.54) 7(7.62,0) 8(7.62,-2.54) 9(10.16,0) 10(10.16,-2.54) 11(12.7,0) 12(12.7,-2.54) 13(15.24,0) 14(15.24,-2.54) 15(17.78,0) 16(17.78,-2.54) 17(20.32,0) 18(20.32,-2.54) 19(22.86,0) 20(22.86,-2.54) 21(25.4,0) 22(25.4,-2.54) 23(27.94,0) 24(27.94,-2.54)
  silkscreen extent -1.57,-3.75 29.2,1.57, body extent -1.27,-3.75 29.21,1.21, height 4.57
SOD-323 [mm]
  rect 0.6x0.6 smd paste-0.05: 1(-1.1,0) 2(1.1,0)
  silkscreen extent -2.06,-0.86 1.53,0.86, body extent -1.3,-0.67 1.3,0.68, height 1.1
SODFL250X110-2N [mm] "SODFL, 2-Leads, Body 1,25x2,50mm, IPC Medium Density, SOD323"
  rrect50% 0.85x0.45 smd: 1(-1.125,0) 2(1.125,0)
  silkscreen extent -1.45,-0.7 0.9,0.7, body extent -1.25,-0.67 1.25,0.67, height 1.1
SOIC127P600X175-8N [mm] "SOIC, 8-Leads, Body 4,90x3,90mm, Pitch 1,27mm, IPC Medium Density"
  rrect50% 1.5x0.6 smd: 1(-2.7,1.905) 2(-2.7,0.635) 3(-2.7,-0.635) 4(-2.7,-1.905) 5(2.7,-1.905) 6(2.7,-0.635) 7(2.7,0.635) 8(2.7,1.905)
  silkscreen extent -2.8,-2.45 1.55,2.8, body extent -3,-2.45 3,2.45, height 1.75
SOT95P237X110-3N [mm] "SOT23, 3-Leads, Body 2,92x2,37mm, Pitch 0,95mm, IPC Medium Density"
  rect 1x0.6 smd: D(1.2,0) G(-1.2,0.95) S(-1.2,-0.95)
  silkscreen extent -0.3,-1.5 0.7,1.5, body extent -1.32,-1.52 1.32,1.52, height 1.1
SOT-23 [mm] "3 pin SOT-23 SMD"
  rect 1x0.725 smd: 1(-1.35,0.95) 2(-1.35,-0.95) 3(1.35,0)
  silkscreen extent -0.65,-1.52 0.65,1.53, body extent -1.38,-1.45 1.38,1.45, height 1
SSOP-20_L [mm] "SOP, 20-Leads, Body 8.6x3.9mm, Pitch 0.635mm, IPC High Density"
  oval 1.95x0.4 smd: 1(-2.325,2.857) 2(-2.325,2.222) 3(-2.325,1.587) 4(-2.325,0.952) 5(-2.325,0.317) 6(-2.325,-0.318) 7(-2.325,-0.953) 8(-2.325,-1.588) 9(-2.325,-2.223) 10(-2.325,-2.858) 11(2.325,-2.857) 12(2.325,-2.222) 13(2.325,-1.587) 14(2.325,-0.952) 15(2.325,-0.317) 16(2.325,0.318) 17(2.325,0.953) 18(2.325,1.588) 19(2.325,2.223) 20(2.325,2.858)
  silkscreen extent -2.45,-4.35 1,4.35, body extent -1.99,-4.37 1.99,4.37, height 1.76
STM-LQFP100_N [mm] "Thin QFP, 100-Leads, Body 14x14mm, Pitch 0.5mm, IPC Medium Density"
  oval 1.8x0.3 smd: 1(-7.55,6) 2(-7.55,5.5) 3(-7.55,5) 4(-7.55,4.5) 5(-7.55,4) 6(-7.55,3.5) 7(-7.55,3) 8(-7.55,2.5) 9(-7.55,2) 10(-7.55,1.5) 11(-7.55,1) 12(-7.55,0.5) 13(-7.55,0) 14(-7.55,-0.5) 15(-7.55,-1) 16(-7.55,-1.5) 17(-7.55,-2) 18(-7.55,-2.5) 19(-7.55,-3) 20(-7.55,-3.5) 21(-7.55,-4) 22(-7.55,-4.5) 23(-7.55,-5) 24(-7.55,-5.5) 25(-7.55,-6) 51(7.55,-6) 52(7.55,-5.5) 53(7.55,-5) 54(7.55,-4.5) 55(7.55,-4) 56(7.55,-3.5) 57(7.55,-3) 58(7.55,-2.5) 59(7.55,-2) 60(7.55,-1.5) 61(7.55,-1) 62(7.55,-0.5) 63(7.55,0) 64(7.55,0.5) 65(7.55,1) 66(7.55,1.5) 67(7.55,2) 68(7.55,2.5) 69(7.55,3) 70(7.55,3.5) 71(7.55,4) 72(7.55,4.5) 73(7.55,5) 74(7.55,5.5) 75(7.55,6)
  oval 0.3x1.8 smd: 26(-6,-7.55) 27(-5.5,-7.55) 28(-5,-7.55) 29(-4.5,-7.55) 30(-4,-7.55) 31(-3.5,-7.55) 32(-3,-7.55) 33(-2.5,-7.55) 34(-2,-7.55) 35(-1.5,-7.55) 36(-1,-7.55) 37(-0.5,-7.55) 38(0,-7.55) 39(0.5,-7.55) 40(1,-7.55) 41(1.5,-7.55) 42(2,-7.55) 43(2.5,-7.55) 44(3,-7.55) 45(3.5,-7.55) 46(4,-7.55) 47(4.5,-7.55) 48(5,-7.55) 49(5.5,-7.55) 50(6,-7.55) 76(6,7.55) 77(5.5,7.55) 78(5,7.55) 79(4.5,7.55) 80(4,7.55) 81(3.5,7.55) 82(3,7.55) 83(2.5,7.55) 84(2,7.55) 85(1.5,7.55) 86(1,7.55) 87(0.5,7.55) 88(0,7.55) 89(-0.5,7.55) 90(-1,7.55) 91(-1.5,7.55) 92(-2,7.55) 93(-2.5,7.55) 94(-3,7.55) 95(-3.5,7.55) 96(-4,7.55) 97(-4.5,7.55) 98(-5,7.55) 99(-5.5,7.55) 100(-6,7.55)
  silkscreen extent -7.68,-6.25 6.25,6.82, body extent -7,-7 7,7, height 1.6